# Altium PCB PCB3.PcbDoc (part 1 of 9)
Units mm, origin at the board's own origin, x right, y up, seen from the top; angles counter-clockwise.
Board outline 233.8 x 110.5 mm, 4 copper layers (Top Layer, Layer 1, Layer 2, Bottom Layer), stack 0.603 mm thick; 1414 components, 1732 nets, 4924 pads, 691 vias.
Unrouted connection lines stored in the file: 2464.
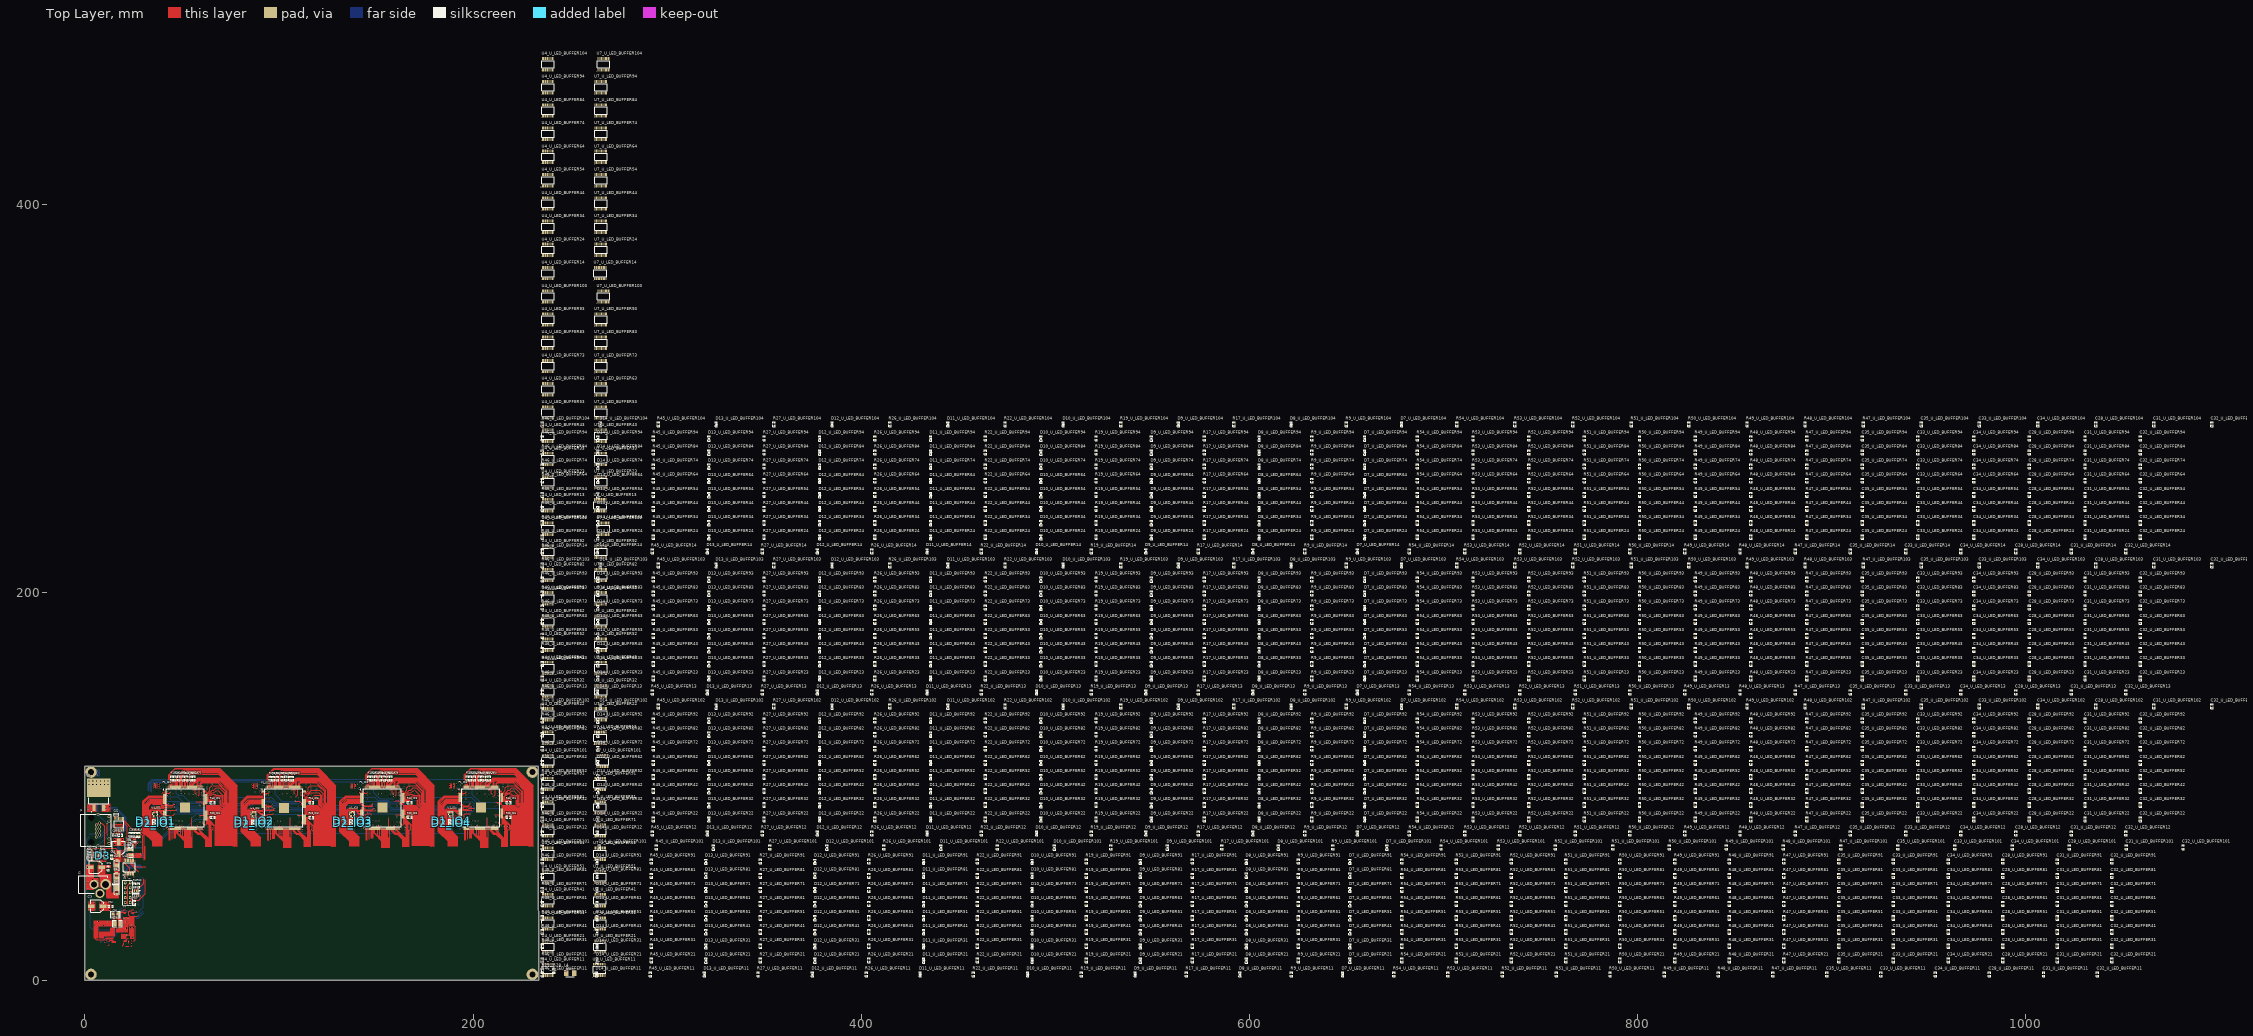
[diagram p0: Top Layer view]
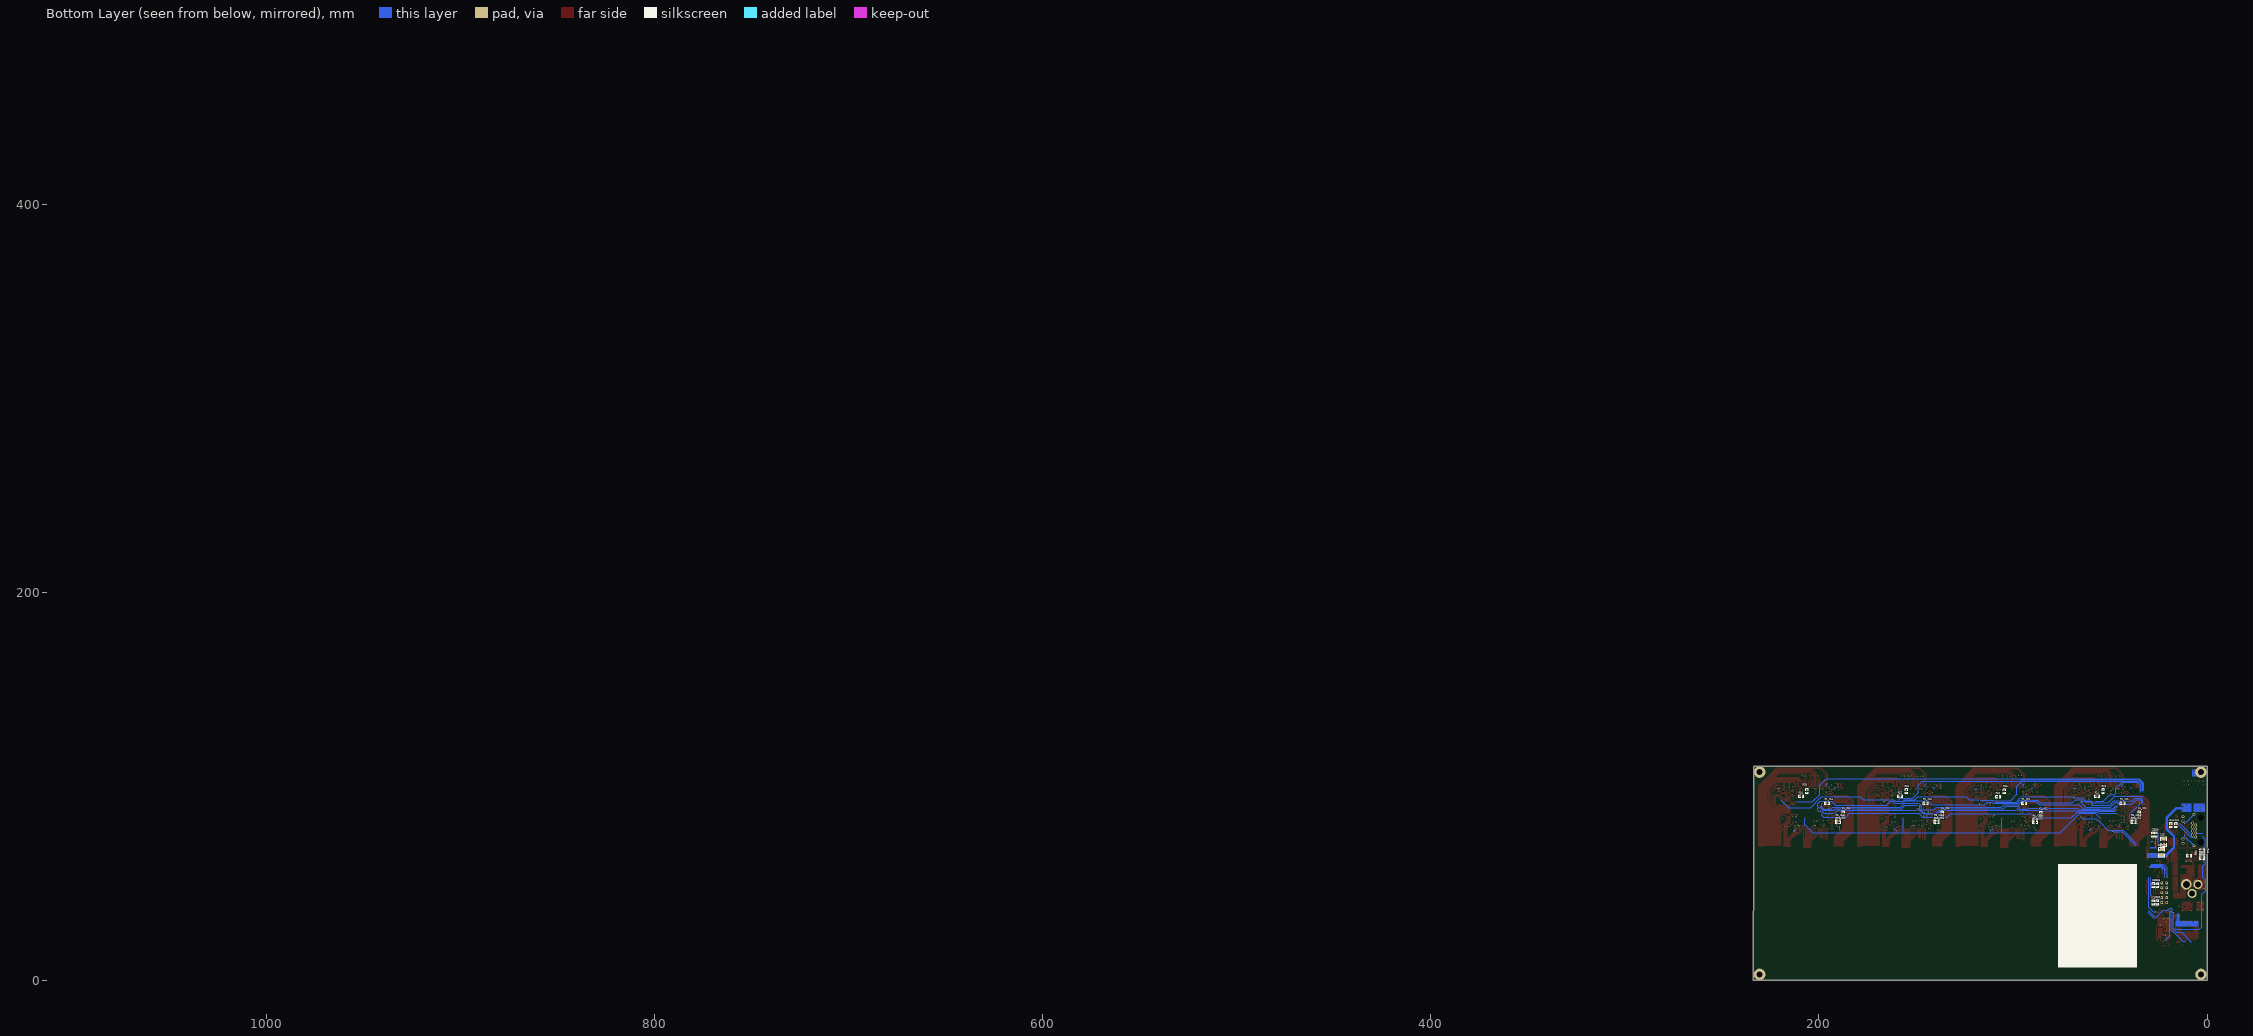
[diagram p1: Bottom Layer view, seen from below]
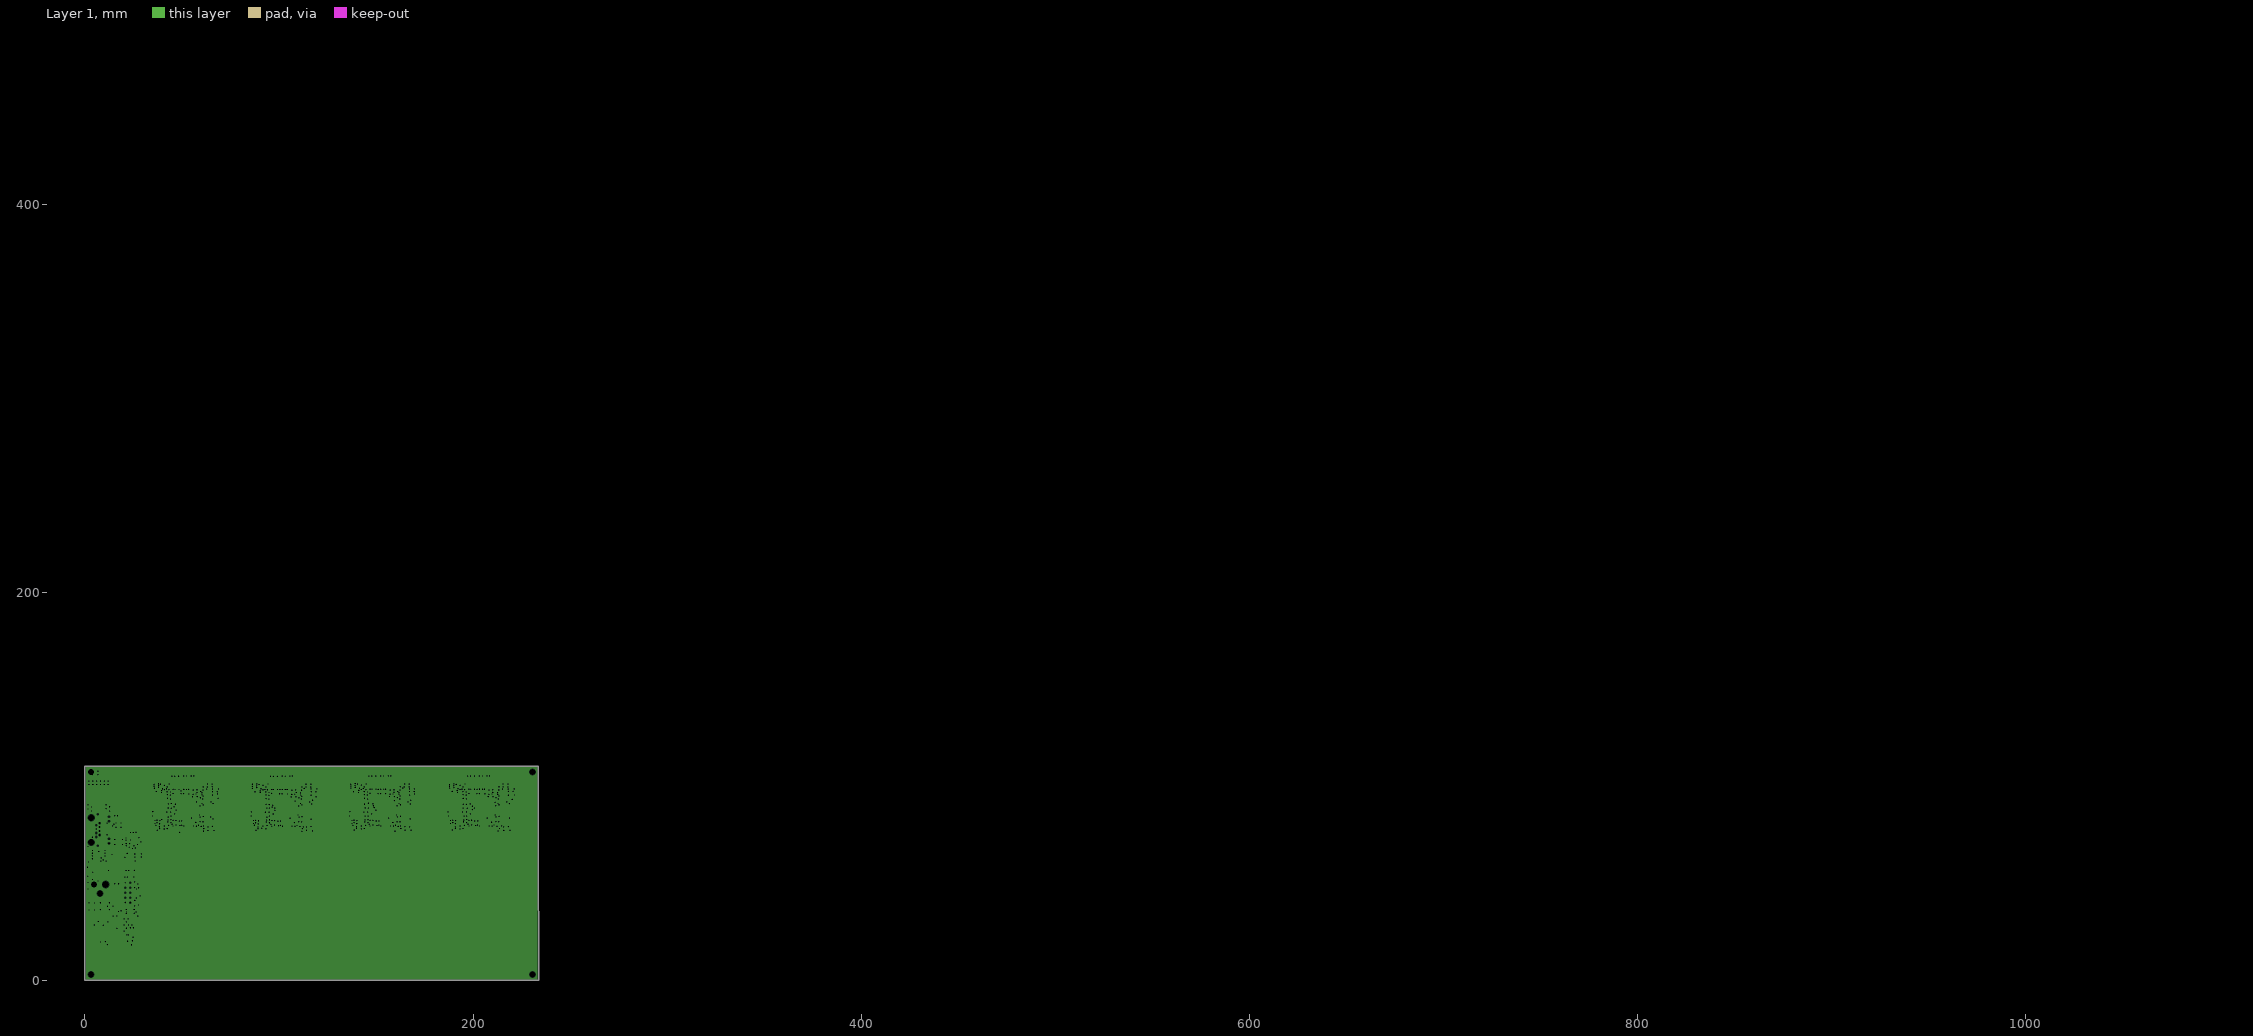
[diagram p2: Layer 1, clearances drawn from the general rule]
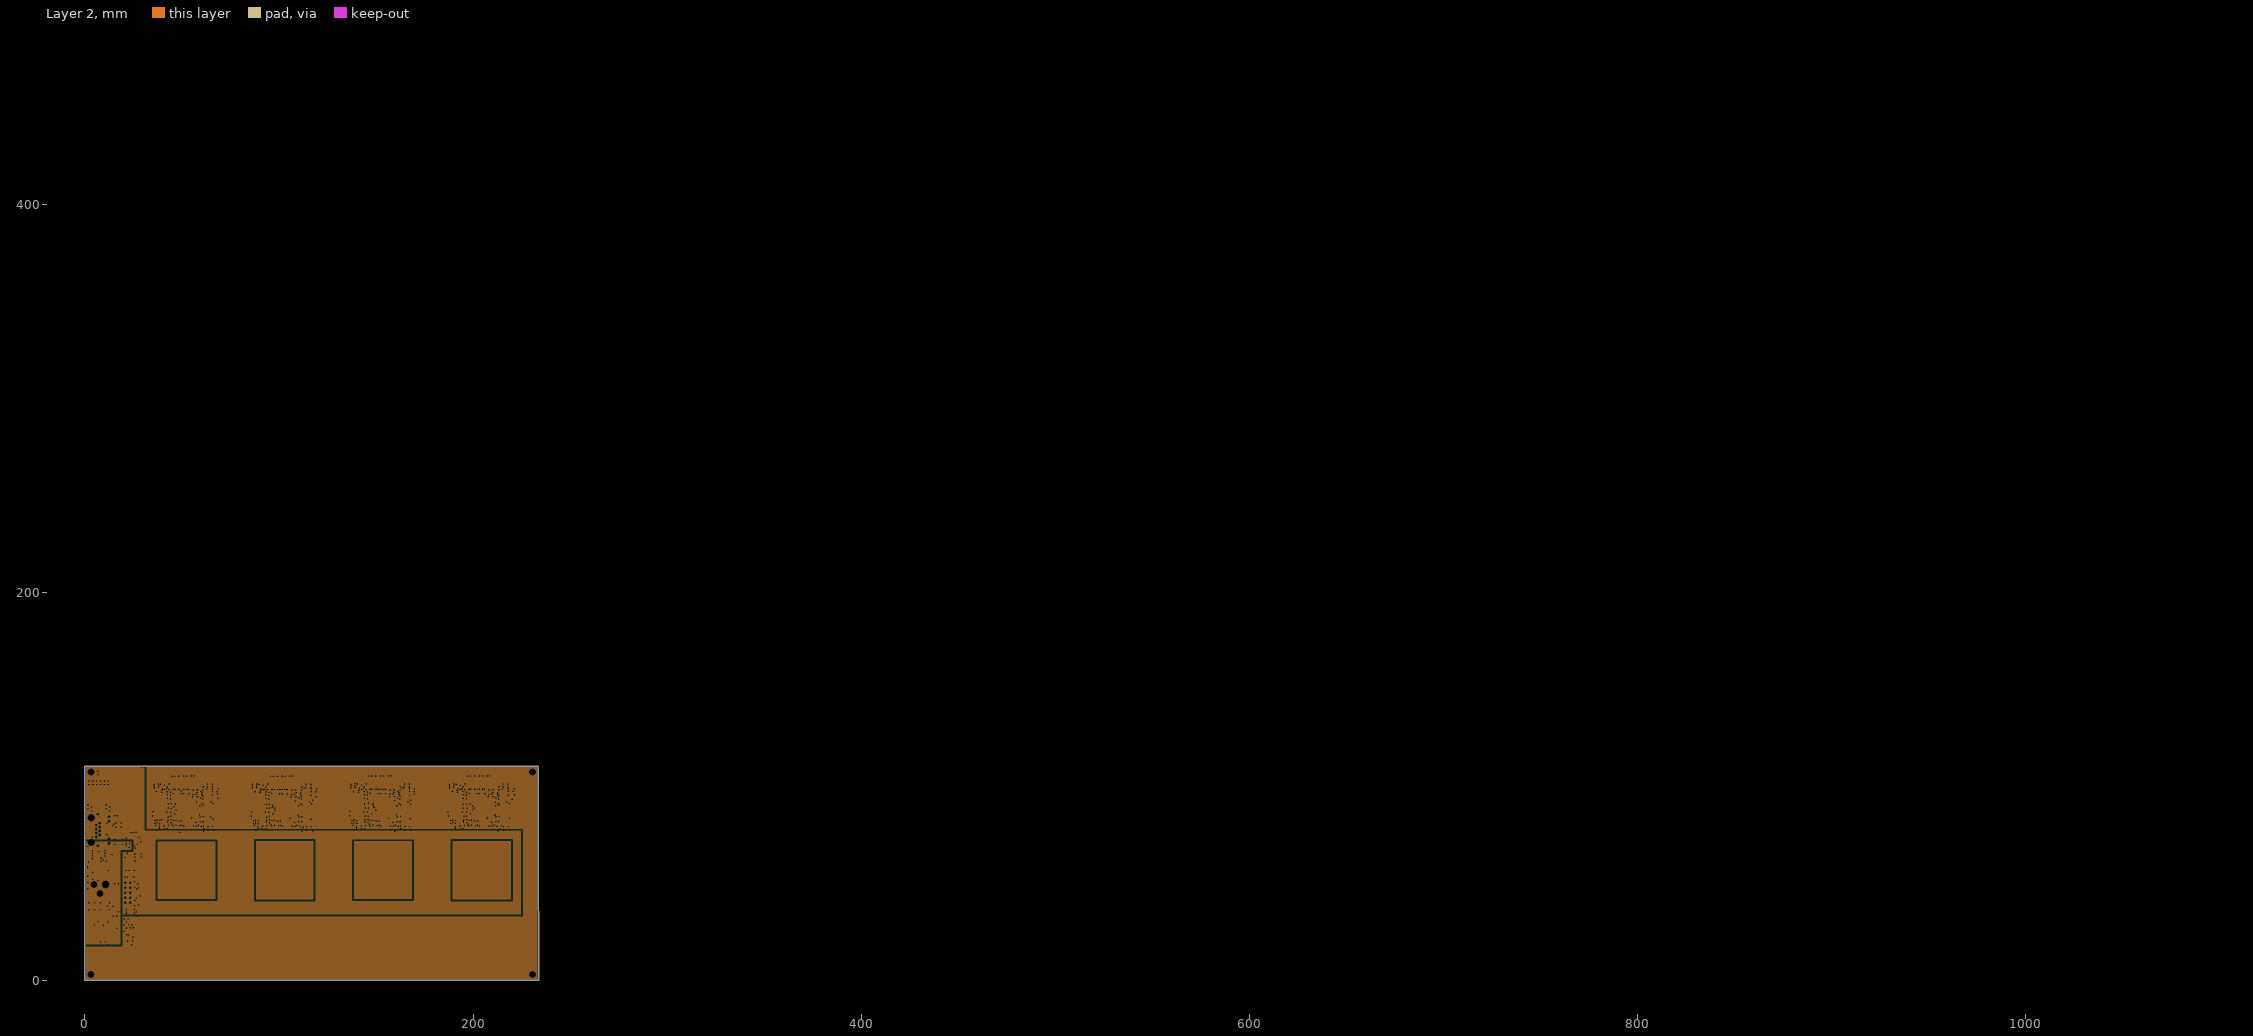
[diagram p3: Layer 2, clearances drawn from the general rule]

## Layer stack, top to bottom
Top Solder: solder mask 0.0102, Solder Resist, Dk 3.5
Top Layer: signal copper 0.0356
Dielectric 2: prepreg 0.0711, PP-006, Dk 4.1
Layer 1: plane copper 0.035, net GND
Dielectric 1: dielectric 0.32, FR-4, Dk 4.8
Layer 2: plane copper 0.035, net (Multiple Nets)
Dielectric 3: prepreg 0.0711, PP-006, Dk 4.1
Bottom Layer: signal copper 0.0356
Bottom Solder: solder mask 0.0102, Solder Resist, Dk 3.5

## Board outline
0,0 233.799,0 233.642,71.839 233.702,110.5 0,110.5

## Design rules (kind name [scope] priority, off if disabled: settings)
Clearance [All] p1: gap=0.178 ignorepadtopadclearanceinfootprint=TRUE
ComponentClearance [All] p1: gap=0 collisioncheckmode=3 verticalgap=0 showdistances=FALSE
HoleSize [All] p1: absolutevalues=TRUE maxlimit=5.08 minlimit=0.025 maxpercent=80.000 minpercent=20.000
MinimumSolderMaskSliver [All] p1: minsoldermaskwidth=0
PlaneClearance [All] p1: clearance=0.203
PlaneConnect [All] p1: planeconnectstyle=Relief reliefexpansion=0.254 reliefentries=4 reliefconductorwidth=0.254 reliefairgap=0.254
PolygonConnect [All] p1: connectstyle=Relief reliefconductorwidth=0.254 reliefentries=4 polygonreliefangle="90 Angle" airgapwidth=0.254
RoomDefinition U_LED_BUFFER104 [InComponentClass('U_LED_BUFFER104')] p1: confinementstyle=ConfineIn formatcopy=TRUE lockcomponents=FALSE outline 234.899,285.049 1124.297,285.049 1124.297,291.049 234.899,291.049
RoomDefinition U_LED_BUFFER103 [InComponentClass('U_LED_BUFFER103')] p2: confinementstyle=ConfineIn formatcopy=TRUE lockcomponents=FALSE outline 234.899,212.349 1124.297,212.349 1124.297,218.349 234.899,218.349
RoomDefinition U_LED_BUFFER102 [InComponentClass('U_LED_BUFFER102')] p3: confinementstyle=ConfineIn formatcopy=TRUE lockcomponents=FALSE outline 234.899,139.649 1124.297,139.649 1124.297,145.649 234.899,145.649
RoomDefinition U_LED_BUFFER101 [InComponentClass('U_LED_BUFFER101')] p4: confinementstyle=ConfineIn formatcopy=TRUE lockcomponents=FALSE outline 234.899,66.95 1109.098,66.95 1109.098,72.95 234.899,72.95
RoomDefinition U_LED_BUFFER94 [InComponentClass('U_LED_BUFFER94')] p5: confinementstyle=ConfineIn formatcopy=TRUE lockcomponents=FALSE outline 234.899,277.749 1086.198,277.749 1086.198,283.749 234.899,283.749
RoomDefinition U_LED_BUFFER93 [InComponentClass('U_LED_BUFFER93')] p6: confinementstyle=ConfineIn formatcopy=TRUE lockcomponents=FALSE outline 234.899,205.049 1086.198,205.049 1086.198,211.049 234.899,211.049
RoomDefinition U_LED_BUFFER92 [InComponentClass('U_LED_BUFFER92')] p7: confinementstyle=ConfineIn formatcopy=TRUE lockcomponents=FALSE outline 234.899,132.349 1086.198,132.349 1086.198,138.349 234.899,138.349
RoomDefinition U_LED_BUFFER91 [InComponentClass('U_LED_BUFFER91')] p8: confinementstyle=ConfineIn formatcopy=TRUE lockcomponents=FALSE outline 234.899,59.65 1070.998,59.65 1070.998,65.65 234.899,65.65
RoomDefinition U_LED_BUFFER84 [InComponentClass('U_LED_BUFFER84')] p9: confinementstyle=ConfineIn formatcopy=TRUE lockcomponents=FALSE outline 234.899,270.549 1086.198,270.549 1086.198,276.549 234.899,276.549
RoomDefinition U_LED_BUFFER83 [InComponentClass('U_LED_BUFFER83')] p10: confinementstyle=ConfineIn formatcopy=TRUE lockcomponents=FALSE outline 234.899,197.849 1086.198,197.849 1086.198,203.849 234.899,203.849
RoomDefinition U_LED_BUFFER82 [InComponentClass('U_LED_BUFFER82')] p11: confinementstyle=ConfineIn formatcopy=TRUE lockcomponents=FALSE outline 234.899,125.149 1086.198,125.149 1086.198,131.149 234.899,131.149
RoomDefinition U_LED_BUFFER81 [InComponentClass('U_LED_BUFFER81')] p12: confinementstyle=ConfineIn formatcopy=TRUE lockcomponents=FALSE outline 234.899,52.45 1070.998,52.45 1070.998,58.45 234.899,58.45
RoomDefinition U_LED_BUFFER74 [InComponentClass('U_LED_BUFFER74')] p13: confinementstyle=ConfineIn formatcopy=TRUE lockcomponents=FALSE outline 234.899,263.249 1086.198,263.249 1086.198,269.249 234.899,269.249
RoomDefinition U_LED_BUFFER73 [InComponentClass('U_LED_BUFFER73')] p14: confinementstyle=ConfineIn formatcopy=TRUE lockcomponents=FALSE outline 234.899,190.549 1086.198,190.549 1086.198,196.549 234.899,196.549
RoomDefinition U_LED_BUFFER72 [InComponentClass('U_LED_BUFFER72')] p15: confinementstyle=ConfineIn formatcopy=TRUE lockcomponents=FALSE outline 234.899,117.85 1086.198,117.85 1086.198,123.849 234.899,123.849
RoomDefinition U_LED_BUFFER71 [InComponentClass('U_LED_BUFFER71')] p16: confinementstyle=ConfineIn formatcopy=TRUE lockcomponents=FALSE outline 234.899,45.15 1070.998,45.15 1070.998,51.15 234.899,51.15
RoomDefinition U_LED_BUFFER64 [InComponentClass('U_LED_BUFFER64')] p17: confinementstyle=ConfineIn formatcopy=TRUE lockcomponents=FALSE outline 234.899,255.949 1086.198,255.949 1086.198,261.949 234.899,261.949
RoomDefinition U_LED_BUFFER63 [InComponentClass('U_LED_BUFFER63')] p18: confinementstyle=ConfineIn formatcopy=TRUE lockcomponents=FALSE outline 234.899,183.249 1086.198,183.249 1086.198,189.249 234.899,189.249
RoomDefinition U_LED_BUFFER62 [InComponentClass('U_LED_BUFFER62')] p19: confinementstyle=ConfineIn formatcopy=TRUE lockcomponents=FALSE outline 234.899,110.55 1086.198,110.55 1086.198,116.55 234.899,116.55
RoomDefinition U_LED_BUFFER61 [InComponentClass('U_LED_BUFFER61')] p20: confinementstyle=ConfineIn formatcopy=TRUE lockcomponents=FALSE outline 234.899,37.85 1070.998,37.85 1070.998,43.85 234.899,43.85
RoomDefinition U_LED_BUFFER54 [InComponentClass('U_LED_BUFFER54')] p21: confinementstyle=ConfineIn formatcopy=TRUE lockcomponents=FALSE outline 234.899,248.649 1086.198,248.649 1086.198,254.649 234.899,254.649
RoomDefinition U_LED_BUFFER53 [InComponentClass('U_LED_BUFFER53')] p22: confinementstyle=ConfineIn formatcopy=TRUE lockcomponents=FALSE outline 234.899,175.949 1086.198,175.949 1086.198,181.949 234.899,181.949
RoomDefinition U_LED_BUFFER52 [InComponentClass('U_LED_BUFFER52')] p23: confinementstyle=ConfineIn formatcopy=TRUE lockcomponents=FALSE outline 234.899,103.25 1086.198,103.25 1086.198,109.25 234.899,109.25
RoomDefinition U_LED_BUFFER51 [InComponentClass('U_LED_BUFFER51')] p24: confinementstyle=ConfineIn formatcopy=TRUE lockcomponents=FALSE outline 234.899,30.55 1070.998,30.55 1070.998,36.55 234.899,36.55
RoomDefinition U_LED_BUFFER44 [InComponentClass('U_LED_BUFFER44')] p25: confinementstyle=ConfineIn formatcopy=TRUE lockcomponents=FALSE outline 234.899,241.449 1086.198,241.449 1086.198,247.449 234.899,247.449
RoomDefinition U_LED_BUFFER43 [InComponentClass('U_LED_BUFFER43')] p26: confinementstyle=ConfineIn formatcopy=TRUE lockcomponents=FALSE outline 234.899,168.749 1086.198,168.749 1086.198,174.749 234.899,174.749
RoomDefinition U_LED_BUFFER42 [InComponentClass('U_LED_BUFFER42')] p27: confinementstyle=ConfineIn formatcopy=TRUE lockcomponents=FALSE outline 234.899,96.05 1086.198,96.05 1086.198,102.05 234.899,102.05
RoomDefinition U_LED_BUFFER41 [InComponentClass('U_LED_BUFFER41')] p28: confinementstyle=ConfineIn formatcopy=TRUE lockcomponents=FALSE outline 234.899,23.35 1070.998,23.35 1070.998,29.35 234.899,29.35
RoomDefinition U_LED_BUFFER34 [InComponentClass('U_LED_BUFFER34')] p29: confinementstyle=ConfineIn formatcopy=TRUE lockcomponents=FALSE outline 234.899,234.149 1086.198,234.149 1086.198,240.149 234.899,240.149
RoomDefinition U_LED_BUFFER33 [InComponentClass('U_LED_BUFFER33')] p30: confinementstyle=ConfineIn formatcopy=TRUE lockcomponents=FALSE outline 234.899,161.449 1086.198,161.449 1086.198,167.449 234.899,167.449
RoomDefinition U_LED_BUFFER32 [InComponentClass('U_LED_BUFFER32')] p31: confinementstyle=ConfineIn formatcopy=TRUE lockcomponents=FALSE outline 234.899,88.75 1086.198,88.75 1086.198,94.75 234.899,94.75
RoomDefinition U_LED_BUFFER31 [InComponentClass('U_LED_BUFFER31')] p32: confinementstyle=ConfineIn formatcopy=TRUE lockcomponents=FALSE outline 234.899,16.05 1070.998,16.05 1070.998,22.05 234.899,22.05
RoomDefinition U_LED_BUFFER24 [InComponentClass('U_LED_BUFFER24')] p33: confinementstyle=ConfineIn formatcopy=TRUE lockcomponents=FALSE outline 234.899,226.849 1086.198,226.849 1086.198,232.849 234.899,232.849
RoomDefinition U_LED_BUFFER23 [InComponentClass('U_LED_BUFFER23')] p34: confinementstyle=ConfineIn formatcopy=TRUE lockcomponents=FALSE outline 234.899,154.149 1086.198,154.149 1086.198,160.149 234.899,160.149
RoomDefinition U_LED_BUFFER22 [InComponentClass('U_LED_BUFFER22')] p35: confinementstyle=ConfineIn formatcopy=TRUE lockcomponents=FALSE outline 234.899,81.45 1086.198,81.45 1086.198,87.45 234.899,87.45
RoomDefinition U_LED_BUFFER21 [InComponentClass('U_LED_BUFFER21')] p36: confinementstyle=ConfineIn formatcopy=TRUE lockcomponents=FALSE outline 234.899,8.75 1070.998,8.75 1070.998,14.75 234.899,14.75
RoomDefinition U_LED_BUFFER14 [InComponentClass('U_LED_BUFFER14')] p37: confinementstyle=ConfineIn formatcopy=TRUE lockcomponents=FALSE outline 234.899,219.649 1078.498,219.649 1078.498,225.649 234.899,225.649
RoomDefinition U_LED_BUFFER13 [InComponentClass('U_LED_BUFFER13')] p38: confinementstyle=ConfineIn formatcopy=TRUE lockcomponents=FALSE outline 234.899,146.949 1078.498,146.949 1078.498,152.949 234.899,152.949
RoomDefinition U_LED_BUFFER12 [InComponentClass('U_LED_BUFFER12')] p39: confinementstyle=ConfineIn formatcopy=TRUE lockcomponents=FALSE outline 234.899,74.25 1078.498,74.25 1078.498,80.25 234.899,80.25
RoomDefinition U_LED_BUFFER11 [InComponentClass('U_LED_BUFFER11')] p40: confinementstyle=ConfineIn formatcopy=TRUE lockcomponents=FALSE outline 234.899,1.55 1063.298,1.55 1063.298,7.55 234.899,7.55
RoomDefinition TOP_LED [InComponentClass('TOP_LED')] p41: confinementstyle=ConfineIn formatcopy=TRUE lockcomponents=FALSE outline -129,-132.95 -78.2,-132.95 -78.2,-107.55 -129,-107.55
RoomDefinition Power_ORing [InComponentClass('Power_ORing')] p42: confinementstyle=ConfineIn formatcopy=TRUE lockcomponents=FALSE outline -129,-132.95 -78.2,-132.95 -78.2,-107.55 -129,-107.55
RoomDefinition Power [InComponentClass('Power')] p43: confinementstyle=ConfineIn formatcopy=TRUE lockcomponents=FALSE outline -129,-132.95 -78.2,-132.95 -78.2,-107.55 -129,-107.55
RoomDefinition IO2 [InComponentClass('IO2')] p44: confinementstyle=ConfineIn formatcopy=TRUE lockcomponents=FALSE outline 84.868,77.362 118.142,77.362 118.142,105.556 84.868,105.556
RoomDefinition IO4 [InComponentClass('IO4')] p45: confinementstyle=ConfineIn formatcopy=TRUE lockcomponents=FALSE outline 186.468,77.362 219.742,77.362 219.742,105.81 186.468,105.81
RoomDefinition IO3 [InComponentClass('IO3')] p46: confinementstyle=ConfineIn formatcopy=TRUE lockcomponents=FALSE outline 135.668,77.362 168.942,77.362 168.942,105.81 135.668,105.81
RoomDefinition IO1 [InComponentClass('IO1')] p47: confinementstyle=ConfineIn formatcopy=TRUE lockcomponents=FALSE outline 34.068,77.362 67.342,77.362 67.342,105.556 34.068,105.556
RoutingVias [All] p1: holewidth=0.305 width=0.61 viastyle="Through Hole" minholewidth=0.305 minwidth=0.61 maxholewidth=0.711 maxwidth=1.27
SilkToSilkClearance [All] p1: silktosilkclearance=0
SilkToSolderMaskClearance [IsPad] p1: minsilkscreentomaskgap=0 clearancetoexposedcopper=TRUE
SolderMaskExpansion [All] p1: expansion=0.102 istentingtop=FALSE
Width [All] p1: maxlimit=1.27 minlimit=0.178 preferedwidth=0.178 minimp=50.000000 maximp=50.000000 favimp=50.000000
23 further rules are at their usual default settings.

## Classes and differential pairs
channel class LED_BUFFER_1xFPGA: U_LED_BUFFER_1xFPGA1 U_LED_BUFFER_1xFPGA2 U_LED_BUFFER_1xFPGA3 U_LED_BUFFER_1xFPGA4
channel class LED_BUFFER: U_LED_BUFFER11 U_LED_BUFFER12 U_LED_BUFFER13 U_LED_BUFFER14 U_LED_BUFFER21 U_LED_BUFFER22 U_LED_BUFFER23 U_LED_BUFFER24 U_LED_BUFFER31 U_LED_BUFFER32 U_LED_BUFFER33 U_LED_BUFFER34 U_LED_BUFFER41 U_LED_BUFFER42 U_LED_BUFFER43 U_LED_BUFFER44 U_LED_BUFFER51 U_LED_BUFFER52 U_LED_BUFFER53 U_LED_BUFFER54 U_LED_BUFFER61 U_LED_BUFFER62 U_LED_BUFFER63 U_LED_BUFFER64 U_LED_BUFFER71 U_LED_BUFFER72 U_LED_BUFFER73 U_LED_BUFFER74 U_LED_BUFFER81 U_LED_BUFFER82 U_LED_BUFFER83 U_LED_BUFFER84 U_LED_BUFFER91 U_LED_BUFFER92 U_LED_BUFFER93 U_LED_BUFFER94 U_LED_BUFFER101 U_LED_BUFFER102 U_LED_BUFFER103 U_LED_BUFFER104
component class U_LED_BUFFER104: C28_U_LED_BUFFER104 C31_U_LED_BUFFER104 C32_U_LED_BUFFER104 C33_U_LED_BUFFER104 C34_U_LED_BUFFER104 C35_U_LED_BUFFER104 D7_U_LED_BUFFER104 D8_U_LED_BUFFER104 D9_U_LED_BUFFER104 D10_U_LED_BUFFER104 D11_U_LED_BUFFER104 D12_U_LED_BUFFER104 D13_U_LED_BUFFER104 D14_U_LED_BUFFER104 R9_U_LED_BUFFER104 R17_U_LED_BUFFER104 R19_U_LED_BUFFER104 R22_U_LED_BUFFER104 R26_U_LED_BUFFER104 R27_U_LED_BUFFER104 R45_U_LED_BUFFER104 R46_U_LED_BUFFER104 R47_U_LED_BUFFER104 R48_U_LED_BUFFER104 R49_U_LED_BUFFER104 R50_U_LED_BUFFER104 R51_U_LED_BUFFER104 R52_U_LED_BUFFER104 R53_U_LED_BUFFER104 R54_U_LED_BUFFER104 U4_U_LED_BUFFER104 U7_U_LED_BUFFER104
component class U_LED_BUFFER103: C28_U_LED_BUFFER103 C31_U_LED_BUFFER103 C32_U_LED_BUFFER103 C33_U_LED_BUFFER103 C34_U_LED_BUFFER103 C35_U_LED_BUFFER103 D7_U_LED_BUFFER103 D8_U_LED_BUFFER103 D9_U_LED_BUFFER103 D10_U_LED_BUFFER103 D11_U_LED_BUFFER103 D12_U_LED_BUFFER103 D13_U_LED_BUFFER103 D14_U_LED_BUFFER103 R9_U_LED_BUFFER103 R17_U_LED_BUFFER103 R19_U_LED_BUFFER103 R22_U_LED_BUFFER103 R26_U_LED_BUFFER103 R27_U_LED_BUFFER103 R45_U_LED_BUFFER103 R46_U_LED_BUFFER103 R47_U_LED_BUFFER103 R48_U_LED_BUFFER103 R49_U_LED_BUFFER103 R50_U_LED_BUFFER103 R51_U_LED_BUFFER103 R52_U_LED_BUFFER103 R53_U_LED_BUFFER103 R54_U_LED_BUFFER103 U4_U_LED_BUFFER103 U7_U_LED_BUFFER103
component class U_LED_BUFFER102: C28_U_LED_BUFFER102 C31_U_LED_BUFFER102 C32_U_LED_BUFFER102 C33_U_LED_BUFFER102 C34_U_LED_BUFFER102 C35_U_LED_BUFFER102 D7_U_LED_BUFFER102 D8_U_LED_BUFFER102 D9_U_LED_BUFFER102 D10_U_LED_BUFFER102 D11_U_LED_BUFFER102 D12_U_LED_BUFFER102 D13_U_LED_BUFFER102 D14_U_LED_BUFFER102 R9_U_LED_BUFFER102 R17_U_LED_BUFFER102 R19_U_LED_BUFFER102 R22_U_LED_BUFFER102 R26_U_LED_BUFFER102 R27_U_LED_BUFFER102 R45_U_LED_BUFFER102 R46_U_LED_BUFFER102 R47_U_LED_BUFFER102 R48_U_LED_BUFFER102 R49_U_LED_BUFFER102 R50_U_LED_BUFFER102 R51_U_LED_BUFFER102 R52_U_LED_BUFFER102 R53_U_LED_BUFFER102 R54_U_LED_BUFFER102 U4_U_LED_BUFFER102 U7_U_LED_BUFFER102
component class U_LED_BUFFER101: C28_U_LED_BUFFER101 C31_U_LED_BUFFER101 C32_U_LED_BUFFER101 C33_U_LED_BUFFER101 C34_U_LED_BUFFER101 C35_U_LED_BUFFER101 D7_U_LED_BUFFER101 D8_U_LED_BUFFER101 D9_U_LED_BUFFER101 D10_U_LED_BUFFER101 D11_U_LED_BUFFER101 D12_U_LED_BUFFER101 D13_U_LED_BUFFER101 D14_U_LED_BUFFER101 R9_U_LED_BUFFER101 R17_U_LED_BUFFER101 R19_U_LED_BUFFER101 R22_U_LED_BUFFER101 R26_U_LED_BUFFER101 R27_U_LED_BUFFER101 R45_U_LED_BUFFER101 R46_U_LED_BUFFER101 R47_U_LED_BUFFER101 R48_U_LED_BUFFER101 R49_U_LED_BUFFER101 R50_U_LED_BUFFER101 R51_U_LED_BUFFER101 R52_U_LED_BUFFER101 R53_U_LED_BUFFER101 R54_U_LED_BUFFER101 U4_U_LED_BUFFER101 U7_U_LED_BUFFER101
component class U_LED_BUFFER94: C28_U_LED_BUFFER94 C31_U_LED_BUFFER94 C32_U_LED_BUFFER94 C33_U_LED_BUFFER94 C34_U_LED_BUFFER94 C35_U_LED_BUFFER94 D7_U_LED_BUFFER94 D8_U_LED_BUFFER94 D9_U_LED_BUFFER94 D10_U_LED_BUFFER94 D11_U_LED_BUFFER94 D12_U_LED_BUFFER94 D13_U_LED_BUFFER94 D14_U_LED_BUFFER94 R9_U_LED_BUFFER94 R17_U_LED_BUFFER94 R19_U_LED_BUFFER94 R22_U_LED_BUFFER94 R26_U_LED_BUFFER94 R27_U_LED_BUFFER94 R45_U_LED_BUFFER94 R46_U_LED_BUFFER94 R47_U_LED_BUFFER94 R48_U_LED_BUFFER94 R49_U_LED_BUFFER94 R50_U_LED_BUFFER94 R51_U_LED_BUFFER94 R52_U_LED_BUFFER94 R53_U_LED_BUFFER94 R54_U_LED_BUFFER94 U4_U_LED_BUFFER94 U7_U_LED_BUFFER94
component class U_LED_BUFFER93: C28_U_LED_BUFFER93 C31_U_LED_BUFFER93 C32_U_LED_BUFFER93 C33_U_LED_BUFFER93 C34_U_LED_BUFFER93 C35_U_LED_BUFFER93 D7_U_LED_BUFFER93 D8_U_LED_BUFFER93 D9_U_LED_BUFFER93 D10_U_LED_BUFFER93 D11_U_LED_BUFFER93 D12_U_LED_BUFFER93 D13_U_LED_BUFFER93 D14_U_LED_BUFFER93 R9_U_LED_BUFFER93 R17_U_LED_BUFFER93 R19_U_LED_BUFFER93 R22_U_LED_BUFFER93 R26_U_LED_BUFFER93 R27_U_LED_BUFFER93 R45_U_LED_BUFFER93 R46_U_LED_BUFFER93 R47_U_LED_BUFFER93 R48_U_LED_BUFFER93 R49_U_LED_BUFFER93 R50_U_LED_BUFFER93 R51_U_LED_BUFFER93 R52_U_LED_BUFFER93 R53_U_LED_BUFFER93 R54_U_LED_BUFFER93 U4_U_LED_BUFFER93 U7_U_LED_BUFFER93